# Allegro board RK3588_Template_LP4XD200P232SD8_41R0X41R0_2133MHz_H1R0_V11_20220216.brd (continued)
## Nets (continued)
PMIC_SW7: L2209.1 U2200.42(SW7)
PMIC_SW8: L2206.2 U2200.6(SW8)
PMIC_SW9: L2204.2 U2200.68(SW9)
PMIC_SW10: L2208.2 U2200.26(SW10)
PMIC_VDC: C2265.1 R2216.1 R2217.2 U2200.32(VDC)
POWER_LED_EN_H: U1000.AA28(GPIO3_B7_D)
PWM11_M3_1V8: U1000.AB28(GPIO3_D5_D)
PWM15_M2: U1000.D29(GPIO1_C6_D)
PWRON_L: C2268.1 U2200.4(PWRON)
REFCLKO_25M: U1000.P33(GPIO0_A0_D)
RESET_L: C1100.1 C2266.1 R1100.1 R2215.2 U1000.M31(NPOR_U) U2200.40(RESETB)
RTC_INT_L: U1000.L30(GPIO0_B0_Z)
RTL8111HS_ISOLATEB_L: U1000.B25(GPIO1_A4_D)
SARADC_VIN1_KEY/RECOVERY: C1511.1 R1500.1 U1000.AL16(SARADC_IN1)
SARADC_VIN2_LCD_ID1: U1000.AK16(SARADC_IN2)
SARADC_VIN3_HP_HOOK: C1512.1 U1000.AN17(SARADC_IN3)
SARADC_VIN5_EVB_HW_ID: C1513.1 U1000.AK15(SARADC_IN5)
SARADC_VIN5_HW_ID: R1508.2 R1510.1
SARADC_VIN7_LCD_ID0: U1000.AK17(SARADC_IN7)
SATA30_0_RXN: U1000.N34(PCIE20_0_RXN/SATA30_0_RXN)
SATA30_0_RXP: U1000.N33(PCIE20_0_RXP/SATA30_0_RXP)
SATA30_0_TXN: U1000.M33(PCIE20_0_TXN/SATA30_0_TXN)
SATA30_0_TXP: U1000.M34(PCIE20_0_TXP/SATA30_0_TXP)
SDMMC0_D0: U1000.AD2(GPIO4_D0_U)
SDMMC0_D1: U1000.AD1(GPIO4_D1_U)
SDMMC_CLK/MCU_JTAG_TMS_M0: U1000.AE1(GPIO4_D5_D)
SDMMC_CMD/MCU_JTAG_TCK_M0: U1000.AE2(GPIO4_D4_U)
SDMMC_D2/JTAG_TCK_M0: U1000.AF2(GPIO4_D2_U)
SDMMC_D3/JTAG_TMS_M0: U1000.AF1(GPIO4_D3_U)
SDMMC_DET_L: U1000.P31(GPIO0_A4_U)
SPI2_CLK_M2: R1104.1 U1000.N31(GPIO0_A5_D)
SPK_CTL_H: U1000.E28(GPIO1_D3_D)
TP_INT_L: U1000.U33(GPIO0_D3_U)
TP_RST_L: U1000.T29(GPIO0_C6_U)
TSADC_SHUT_H: R1100.2 U1000.P32(GPIO0_A1_Z)
TYPEC0_OTG_DM: U1000.AM12(TYPEC0_USB20_OTG_DM)
TYPEC0_OTG_DP: U1000.AL12(TYPEC0_USB20_OTG_DP)
TYPEC0_REXT: R1402.1 U1000.AH16(TYPEC0_DP0_REXT)
TYPEC0_SBU1: U1000.AL15(TYPEC0_SBU1/DP0_AUXP)
TYPEC0_SBU1_DC: U1000.AL27(GPIO4_A6_D)
TYPEC0_SBU2: U1000.AM15(TYPEC0_SBU2/DP0_AUXN)
TYPEC0_SBU2_DC: U1000.AM27(GPIO4_A7_D)
TYPEC0_SSRX1N: U1000.AP13(TYPEC0_SSRX1N/DP0_TX0N)
TYPEC0_SSRX1P: U1000.AN13(TYPEC0_SSRX1P/DP0_TX0P)
TYPEC0_SSRX2N: U1000.AP15(TYPEC0_SSRX2N/DP0_TX2N)
TYPEC0_SSRX2P: U1000.AN15(TYPEC0_SSRX2P/DP0_TX2P)
TYPEC0_SSTX1N: U1000.AN14(TYPEC0_SSTX1N/DP0_TX1N)
TYPEC0_SSTX1P: U1000.AP14(TYPEC0_SSTX1P/DP0_TX1P)
TYPEC0_SSTX2N: U1000.AN16(TYPEC0_SSTX2N/DP0_TX3N)
TYPEC0_SSTX2P: U1000.AP16(TYPEC0_SSTX2P/DP0_TX3P)
TYPEC0_USB20_OTG_ID: U1000.AL14(TYPEC0_USB20_OTG_ID)
TYPEC0_USB20_VBUSDET: U1000.AM14(TYPEC0_USB20_VBUSDET)
TYPEC1_OTG_DM: U1000.AL9(TYPEC1_USB20_OTG_DM)
TYPEC1_OTG_DP: U1000.AK9(TYPEC1_USB20_OTG_DP)
TYPEC1_REXT: R1410.1 U1000.AG16(TYPEC1_DP1_REXT)
TYPEC1_SSRX1N: U1000.AP8(TYPEC1_SSRX1N/DP1_TX0N)
TYPEC1_SSRX1P: U1000.AN8(TYPEC1_SSRX1P/DP1_TX0P)
TYPEC1_SSTX1N: U1000.AN9(TYPEC1_SSTX1N/DP1_TX1N)
TYPEC1_SSTX1P: U1000.AP9(TYPEC1_SSTX1P/DP1_TX1P)
UART2_RX_M0_DEBUG: U1000.R29(GPIO0_B6_D)
UART2_TX_M0_DEBUG: U1000.P29(GPIO0_B5_D)
UART8_CTSN_M1_BT: U1000.AH30(GPIO3_A5_D)
UART8_RTSN_M1_BT: U1000.AD28(GPIO3_A4_D)
UART8_RX_M1_BT: U1000.AE27(GPIO3_A3_U)
UART8_TX_M1_BT: U1000.AD27(GPIO3_A2_U)
USB20_HOST0_DM: U1000.AL6(USB20_HOST0_DM)
USB20_HOST0_DP: U1000.AK6(USB20_HOST0_DP)
USB20_HOST1_DM: U1000.AM7(USB20_HOST1_DM)
USB20_HOST1_DP: U1000.AL7(USB20_HOST1_DP)
USB_HOST_PWREN_H: U1000.AK26(GPIO4_B0_D)
VGA_HPDIN_L: U1000.E25(GPIO1_B5_U)
VSEL4: R1109.1 U1000.T32(GPIO0_C2_D)
VSEL5: R1115.1 U1000.T30(GPIO0_C3_D)
WIFI_REG_ON_H: U1000.AH29(GPIO3_B1_D)
WIFI_WAKE_HOST_H: U1000.K29(GPIO0_B2_U)
XIN24M: C1102.1 R1103.2 U1000.R34(XIN_24M) Y1100.3(X2)
XOUT24M: R1101.2 R1103.1 U1000.T34(XOUT_24M)
N16895373: C4009.1 U4000.C2(VDDI)
N17716140: C2261.2 D2200.2(K) R2216.2
N17720882: R2004.1
N17720886: R2004.2
N17724884: R1107.1 U1000.N30(GPIO0_A6_Z)
N17725044: R1133.1 U1000.R32(GPIO0_A2_D)
N17758514: L2301.1 U2301.D3(SW_1) U2301.D4(SW_2) U2301.E3(SW_3) U2301.E4(SW_4)
N17758921: L2300.1 U2300.D3(SW_1) U2300.D4(SW_2) U2300.E3(SW_3) U2300.E4(SW_4)
N17759951: L2303.1 U2303.D3(SW_1) U2303.D4(SW_2) U2303.E3(SW_3) U2303.E4(SW_4)
N18051724: C1600.1 U1000.AF20(MIPI_D/C_PHY0_VREG)
N18051781: C1608.1 U1000.AF19(MIPI_D/C_PHY1_VREG)
N18063750: R3806.2 U3800.G2(ODT_CA_A)
N18063752: R3809.2 U3800.A5(ZQ0)
N18063754: R3810.2 U3800.A8(ZQ1)
N18396694: C2329.1 R2304.2 U2302.1(EN)
N18396710: C2320.2 R2305.2 R2307.1 U2302.5(FB/OUT)
N18396738: L2302.1 U2302.3(LX)
N19366700: R1202.1 U1000.G8(DDR_CH1_ZQ_C)
N21016906: C1101.1 R1101.1 Y1100.1(X1)
N23213062: R1203.1 U1000.F18(DDR_CH1_ZQ_D)
N23230466: R1317.1 U1000.V34(GPIO2_A1_D)
N24141374: R1201.1 U1000.H7(DDR_CH0_ZQ_B)
N24452184: R4003.2 R4004.1 U4000.H5(DATA STROBE)
N25235330: R1730.1 U1000.AF3(HDMI_RX_REXT)
N26065462: R1314.1 U1000.Y32(GPIO2_D4_U)
N26065494: R1315.1 U1000.AA32(GPIO2_D5_U)
N26065519: R1316.1 U1000.V33(GPIO2_D7_U)
N26065546: R1318.1 U1000.AA34(GPIO2_A3_D)
N63228233: R3817.1 U3801.T2(ODT_CA_B)
N63228239: R3816.2 U3801.G2(ODT_CA_A)
N63228245: R3818.2 U3801.A5(ZQ0)
N63228247: R3819.2 U3801.A8(ZQ1)
N63380732: R3807.1 U3800.T2(ODT_CA_B)
N65887084: R1200.1 U1000.W8(DDR_CH0_ZQ_A)

Pads without a net: U1000 AD4 AF18 AK8 AL8 AL17 AM17 C19 D7 D10 D14 D17 E7 E10 E17 G9 G18 H4 H5 H9 H18 K4 K5 K7 M7 T5 V6 V7 W4 W5; U2200 2 3 38 47 48; U3800 A1 A2 A11 A12 AA1 AA12 AB1 AB2 AB11 AB12 B1 B12 G11 K5 K8 N5 N8; U3801 A1 A2 A11 A12 AA1 AA12 AB1 AB2 AB11 AB12 B1 B12 G11 K5 K8 N5 N8; U4000 A2 A7 A8 A9 A10 A11 A12 A13 A14 B1 B7 B8 B9 B10 B11 B12 B13 B14 C1 C3 C7 C8 C9 C10 C11 C12 C13 C14 D1 D2 D3 D4 D12 D13 D14 E1 E2 E3 E5 E8 E9 E10 E12 E13 E14 F1 F2 F3 F10 F12 F13 F14 G1 G2 G3 G10 G12 G13 G14 H1 H2 H3 H12 H13 H14 J1 J2 J3 J12 J13 J14 K1 K2 K3 K6 K7 K10 K12 K13 K14 L1 L2 L3 L12 L13 L14 M1 M2 M3 M7 M8 M9 M10 M11 M12 M13 M14 N1 N3 N6 N7 N8 N9 N10 N11 N12 N13 N14 P1 P2 P7 P8 P9 P10 P11 P12 P13 P14

## Via types
v1: diameter 0.4, hole 0.2, TOP to BOTTOM, 1923 vias
v2: diameter 0.5, hole 0.3, TOP to BOTTOM, 503 vias

## Routing (per net, layer and track width the routed paths; a pad name or vN(x,y) marks a point on that pad's centre or on a via; arc(x,y) is an arc through that point)
GND: length 3200.2
  TOP w0.089: 62.99,54.5 63.64,54.5 ; U1000.AG15 U1000.AH15 U1000.AJ15 ; U1000.AM30 48.39,62 ; U1000.AF4 64.96,57.78 v1(64.31,57.78) ; v1(66.91,49.33) 67.5,49.33 67.58,49.25 68.05,49.25 ; 38.73,55.4 38.73,55.39 38.79,55.34 38.79,55.34 38.96,55.17 38.96,55.02 38.99,54.99 v1(39.12,54.99) ; 61.69,54.5 61.74,54.5 ; v1(49.91,41.4) 50.04,41.53 50.04,42.2 U1000.B27 ; U1000.AN31 47.74,62.65 ; v1(60.78,41.4) 60.63,41.25 60.63,41.04 ; 37.76,53.51 37.8,53.47 v1(37.85,53.47) ; 60.74,53.55 U1000.W11 ; v1(44.44,52.78) 44.44,52.78 44.26,52.96 43.81,52.96 43.31,53.47 39.14,53.47 38.89,53.21 v1(38.61,53.21) ; U1000.AF29 49.04,58.1 ; v1(59.76,42.83) 59.76,41.71 59.82,41.66 59.82,41.04 ; 58.42,38.99 v1(58.29,39.12) ; v1(57.16,54.53) U1000.AA17 ; v1(64.96,53.23) v1(64.96,53.88) ; U1000.AL25 51.64,61.35 ; v1(67.69,48.35) 68.05,48.35 ; v1(63.01,44.13) v1(63.66,44.13) ; U1000.W10 61.39,53.55 ; v1(67.89,50.24) 68.05,50.08 ; 59.71,53.93 59.82,53.93 ; U1000.AK11 60.74,60.7 ; U1000.M3 65.29,49 v1(64.97,48.68) ; v1(63.67,47.38) v1(63.01,47.38) ; 61.71,44.78 61.71,43.56 ; U1000.A11 60.74,41.95 60.41,42.27 v1(60.41,42.83) ; U1000.M20 U1000.N20 ; v1(58.85,41.33) 58.85,41.28 58.93,41.19 58.93,41.04 ; v1(63.66,53.23) v1(63.66,52.58) ; U1000.AF31 47.74,58.1 ; v1(67.86,56.79) 67.86,56.82 ; U1000.AA10 61.39,54.85
  TOP w0.102: v1(77.59,51.13) 77.47,51.01 77.47,50.7 77.26,50.49 77.02,50.49 76.86,50.65 76.5,50.65 U3800.K2 ; 62.3,34.64 62.3,34.1 62.05,33.85 ; 62.3,34.64 62.3,35.11 61.77,35.63 61.77,36.98 61.29,37.47 60.83,37.47 60.22,38.07 60.22,38.84 60.59,39.21 ; 62.3,34.64 62.05,34.4 62.05,34.39 62.05,33.85 ; 72.28,49.66 72.11,49.83 ; 72.28,49.66 72.31,49.63 v1(72.34,49.63) ; 72.28,49.66 72.28,49.8 72.31,49.83 ; 72.11,49.83 72.31,49.83 ; 72.11,49.83 69.77,49.83 69.19,49.25 68.05,49.25 ; 60.06,35.18 60.42,34.82 60.42,33.95 ; 60.06,35.18 60.48,35.18 60.55,35.1 60.55,34.92 60.68,34.8 60.68,34.67 60.43,34.43 60.43,33.96 60.42,33.95 ; 60.06,35.18 59.18,35.18 59.08,35.28 59.08,35.84 59.39,36.15 ; 73.03,60.45 v1(73.41,60.45) ; 61.24,29.51 61.24,27.69 ; 61.24,29.51 61.24,29.98 ; 61.24,29.51 60.99,29.75 61.24,30 ; 61.24,27.69 61.24,27.58 ; 61.24,27.69 61.29,27.74 61.29,29.35 61.54,29.61 61.54,29.67 61.24,29.98 ; 61.29,33.28 61.29,33.17 61.51,32.95 61.51,32.91 61.24,32.63 61.24,32.28 ; 61.29,33.28 61.29,35.05 61.16,35.17 61.16,35.46 61.04,35.59 61.04,35.69 v1(61.01,35.71) 61.03,35.73 61.03,35.89 61.16,36.03 61.16,36.69 60.99,36.86 60.1,36.86 60,36.96 60,37.43 59.59,37.84 59.59,38.26 59.26,38.59 59.26,39.13 59.82,39.69 59.82,41.04 ; 61.29,33.28 60.99,32.98 60.99,32.52 61.24,32.28 ; 61.24,27.58 61.11,27.58 61.09,27.56 ; 61.24,27.58 61.95,27.58 v1(61.98,27.56) ; 60.42,33.95 60.58,33.8 60.58,33.43 60.4,33.25 60.05,33.25 v1(59.97,33.17) ; 57.16,44.78 57.16,43.48 ; 60.59,39.21 60.63,39.24 60.63,39.65 ; 60.59,39.21 61,39.21 v1(61.03,39.24) 60.63,39.65 ; v1(79.03,53.05) 79.12,53.13 79.12,53.67 78.91,53.89 ; U3800.E5 78.91,53.89 ; 78.91,53.89 79.12,53.89 79.67,54.43 80.22,54.43 v1(80.76,54.98) 80.76,54.62 81.14,54.24 U3800.E8 81.14,53.96 80.39,53.21 80.39,52.55 80.77,52.17 80.77,51.94 80.93,51.79 81.31,51.79 81.42,51.68 v1(81.55,51.68) ; v1(76.02,51.13) 76.02,50.84 75.66,50.49 73.53,50.49 ; 62.05,33.85 61.9,33.7 61.9,33.43 62.22,33.1 62.22,32.88 ; v1(82.28,48.59) 82.28,48.87 83.06,49.66 83.06,50.01 82.42,50.65 82.1,50.65 U3800.K9 ; v1(79.2,50.67) 79.38,50.85 79.38,51.56 79.48,51.66 79.48,51.84 78.99,52.32 78.99,53.01 ; 59.39,36.59 59.58,36.39 59.58,36.34 59.39,36.15 ; 59.39,36.59 59.39,36.15 ; 59.39,36.59 59.39,37.18 58.98,37.59 58.98,37.99 58.65,38.32 58.65,38.76 ; v1(64.48,33.24) 64.48,32.29 v1(64.44,32.25) ; 58.65,39.47 58.65,39.54 58.91,39.81 58.91,41.02 58.93,41.04 ; 58.65,39.47 v1(58.29,39.12) ; 58.65,39.47 58.65,38.76 ; U3801.N4 60.3,31.18 60.3,31.55 60.58,31.83 60.58,32.08 60.27,32.38 U3801.N2 ; 61.24,30 61.24,30.66 61.51,30.93 61.51,31.26 61.24,31.53 ; 61.24,30 61.24,29.98 ; 66.26,48.68 66.76,48.68 67.09,48.35 U1000.L1 ; 72.31,49.83 80.26,49.83 80.93,50.5 81.45,50.5 v1(81.53,50.42) ; v1(83.92,52.43) 83.26,52.43 v1(83.12,52.57) ; v1(55.37,30.7) 55.4,30.73 55.4,31.47 v1(55.37,31.5) ; 61.24,31.53 61.24,30.68 60.98,30.93 60.98,31.37 61.24,31.63 ; 61.24,31.53 61.24,31.63 ; 65.61,46.08 64.96,46.08 ; 58.65,38.76 58.42,38.99 ; v1(78.34,47.77) 78.33,47.77 78.21,47.88 77.65,47.88 v1(77.55,47.78) ; 60.63,39.65 60.63,41.04 ; 73.53,50.49 69.29,50.49 69.14,50.34 v1(69.09,50.34) 69.04,50.29 68.96,50.29 68.58,49.91 68.22,49.91 68.05,50.08 ; 73.53,50.49 73.53,51.03 74.04,51.54 v1(74.04,51.56) ; v1(66.91,49.33) v1(66.26,49.33) ; 62.57,26.8 63,26.8 63.03,26.77 v1(63.25,26.77) 63.22,26.8 63.22,28.09 63.4,28.27 63.65,28.27 63.86,28.07 64.06,28.07 U3801.G8 ; v1(64.46,28.25) 64.77,28.55 64.77,29.78 64.6,29.95 v1(64.52,29.95) 63.73,29.95 63.37,29.59 63.12,29.59 62.99,29.72 62.74,29.72 62.61,29.59 62.36,29.59 62.15,29.79 62.15,29.97 61.9,30.23 61.9,30.46 62.22,30.78 U3801.K4 62.22,31.41 61.92,31.71 61.92,32.45 U3801.K2 ; 61.24,32.28 61.24,31.63 ; U1000.A14 58.79,42.05 59.11,42.38 v1(59.11,42.83) ; 51.64,38.05 51.64,40.59 52.19,41.14 v1(52.19,41.2) ; 62.36,46.08 v1(61.71,46.08) ; U1000.P1 67.07,50.3 66.74,49.98 v1(66.26,49.98) ; v1(66.45,26.83) 66.45,25.88 U3801.D11 ; v1(83.97,45.95) 83.94,45.93 83.19,45.93 v1(83.17,45.95) ; v1(60.07,30.76) 60.1,30.73 60.32,30.73 60.58,30.48 60.58,30.22 59.99,29.64 59.04,29.64 U3801.T5 57.63,29.67 57.63,29.19 58.02,28.8 58.02,28.25 U3801.T8 58.54,27.95 58.86,28.27 59.11,28.27 59.31,28.07 59.31,27.02 59.51,26.82 59.94,26.82 ; 61.71,43.56 61.71,43.48 ; 68.05,48.35 69.84,48.35 69.98,48.49 v1(69.98,48.51) 70,48.51 70.38,48.9 71.91,48.9 72.09,48.72 72.69,48.72 73.19,48.22 74.99,48.22 v1(75.25,48.49) 75.24,48.51 75.24,48.98 75.43,49.17 75.65,49.17 75.97,48.85 U3800.N2 76.71,48.85 77.03,49.17 77.25,49.17 77.57,48.85 U3800.N4 78.31,48.85 78.62,49.16 78.87,49.16 80.02,48.01 80.9,48.01 81.04,47.87 v1(81.6,47.87) v1(82.4,47.87)
  TOP w0.104: v2(83.12,101.73) 83.8,101.73 C2266.2 ; R1110.2 v1(98.81,105.79) ; v1(68.33,114.43) 68.83,114.94 68.83,115.24 71.32,117.73 v1(74.68,117.73) ; C2254.2 v1(90.73,90.3) ; 35.9,54.65 35.88,54.67 v1(35.87,54.67) ; 35.9,54.65 36.13,54.42 37.15,54.42 37.23,54.5 37.24,54.5 37.35,54.62 37.48,54.62 37.5,54.64 38.23,54.64 38.23,54.65 v1(38.23,54.65) ; 35.9,54.65 35.75,54.65 35.56,54.46 35.37,54.27 34.76,54.27 34.46,54.57 33.61,54.57 33.6,54.56 33.49,54.56 33.16,54.23 32.78,54.23 32.13,53.58 32.13,53.56 v1(32.09,53.52) 32.09,53.42 31.88,53.21 30.1,53.21 29.84,52.96 29.59,52.96 ; C2319.2 106.93,105.16 107.19,105.41 v2(107.19,105.97) ; C2319.2 106.43,105.6 v2(106.43,105.97) ; C2319.2 107.19,104.84 v2(107.19,104.27) v2(107.19,103.5) ; 38.73,55.4 38.52,55.62 34.99,55.62 34.66,55.29 34.21,55.29 34.21,55.29 33.17,55.29 v1(33.02,55.14) 32.85,55.14 32.54,54.82 32.53,54.82 31.99,54.28 31.55,54.28 31.13,53.86 29.71,53.86 29.66,53.91 29.45,53.91 ; C2256.2 v2(98.81,108.03) ; 64.47,83.06 64.77,83.06 64.94,82.89 65.52,82.89 v1(65.93,83.29) ; U4000.E7 12.94,54.73 v1(12.94,54.35) ; U4000.C4 12.92,56.19 12.92,56.04 12.95,56.01 12.95,55.99 v1(12.91,55.99) ; C2262.2 v2(98.93,103.53) ; v1(15.11,55.25) 14.99,55.25 14.52,55.72 U4000.A6 ; 48.32,26.34 v1(48.32,26.42) ; v2(96.39,108.46) 96.01,108.84 96.01,109.36 C2243.2 ; 37.76,53.51 37.73,53.53 35.88,53.53 35.74,53.38 34.39,53.38 34.18,53.59 34.1,53.59 v1(34.04,53.53) ; C2257.2 v2(93.34,88.01) ; 51.64,38.05 51.64,37.92 v1(50.55,36.83) ; 109.78,77.88 v1(110.33,77.88) ; R2212.2 v1(98.81,106.81)
  TOP w0.127: v1(68.41,58.97) 69.39,58.97 73.41,62.99 ; 23.88,61.72 24.51,61.09 v1(24.51,60.96) ; v1(44.62,55.76) 40.12,55.76 38.99,56.9 38.3,56.9 ; 45.47,41.53 45.47,42.67 45.62,42.83 v1(46.11,42.83) ; 67.86,56.82 68.2,57.15 v1(69.72,57.15) 73.03,60.45 ; v1(38.61,53.21) 38.17,52.78 34.11,52.78 33.66,52.32 33.66,51.44 33.53,51.31 32.16,51.31 32.13,51.34 ; v1(55.86,45.43) 56.51,45.43
  TOP w0.152: 14.73,50.04 16.13,51.43 17.37,51.43 18.29,50.51 ; U4000.N5 U4000.P6 ; v1(79.2,50.67) 78.99,50.47 78.58,50.47 78.3,50.75 77.99,50.75 U3800.K4 ; v1(83.07,53.73) 83.16,53.83 83.16,54.33 v1(83.21,54.38)
  TOP w0.203: U2301.B4 35.67,14.5 v2(35.56,14.61) ; U2301.B4 U2301.C4 ; U2301.B4 U2301.B3 ; U2300.B4 45.32,14.37 v2(44.96,14.73) ; U2300.B4 U2300.B3 ; U2300.B4 U2300.C4 ; U2300.C4 v2(45.72,14.73) ; U2300.C4 U2300.C3 ; v2(71.4,78.88) 71.29,78.99 U2303.C1 U2303.C2 ; U2300.C2 U2300.C1 45.72,12.08 v2(45.73,12.06) ; U2300.C2 U2300.C3 ; U2300.C2 U2300.B2 U2300.B3 ; U2300.C3 U2300.B3 ; v1(76.73,52.34) 76.73,52.35 U3800.G3 ; 36.07,14.48 U2301.C4 ; U2301.C4 U2301.C3 ; v1(7.47,56.77) 7.52,56.72 U4000.P4 ; U2303.B3 U2303.B4 ; U2303.B3 U2303.B2 U2303.C2 ; U2303.B3 U2303.C3 ; U2303.B4 69.01,78.59 v2(68.61,78.99) U2303.C4 ; U2303.B4 U2303.C4 ; U2301.C3 U2301.C2 ; U2301.C3 U2301.B3 ; U2301.C2 U2301.C1 36.07,12.07 v2(35.94,11.94) ; U2301.C2 U2301.B2 U2301.B3 ; U3800.A3 v1(77.62,57.13) ; U2303.C2 U2303.C3 ; U2303.C3 U2303.C4 ; v1(39.62,50.17) v1(40.89,50.17) ; U3800.AB3 77.5,43.36 77.5,44.51 v1(77.59,44.6) ; 51.71,38.84 v1(52.07,38.84) ; 18.64,51.44 17.75,52.32 15.62,52.32 v1(15.49,52.45) ; v1(79.07,44.63) 79.75,44.63 80.06,44.32 v1(80.64,44.32) ; U4000.N2 8.45,58.83 ; U3800.A10 v1(82.42,56.98) ; v1(73.84,62.99) 73.41,62.99
  TOP w0.254: C2327.2 62.74,76.65 ; 62.74,76.65 62.74,78.42 C2324.2 ; 62.74,76.65 62.74,75.13 62.93,74.94 62.93,74.39 62.93,70.59 62.92,70.58 62.92,70.43 63.52,69.83 63.88,69.83 64.14,70.08 v1(64.14,70.1) ; U1000.AA18 56.52,55.18 ; U1000.AA18 56.19,54.85 v1(56.52,54.53) ; U1000.AA18 v1(55.87,55.18) ; U1000.AA18 v1(55.87,54.53) ; 56.52,55.18 56.84,55.5 U1000.AB17 v1(57.16,55.18) U1000.AA16 ; 56.52,55.18 U1000.AA17 ; 56.51,55.18 U1000.AB18 v1(55.87,55.18) ; 64.96,46.08 64.64,45.75 ; 64.64,45.75 64.32,46.08 ; 64.64,45.75 64.31,45.43 v1(64.31,45.43) ; 64.64,45.75 v1(64.96,45.43) ; 64.64,45.75 v1(64.64,45.88) ; v1(56.68,26.84) 56.37,27.15 U3801.W9 ; U1000.Y13 v1(59.76,54.53) U1000.Y12 ; U1000.Y13 v1(59.11,54.53) U1000.Y14 ; U1000.Y13 59.44,54.2 v1(59.76,53.88) U1000.W12 ; v1(57.81,58.43) U1000.AF16 ; v1(57.81,58.43) U1000.AF15 ; v1(57.81,58.43) U1000.AG15 v1(58.46,58.43) ; U1000.AF16 57.81,57.78 ; U1000.AF16 57.18,58.41 ; U1000.AF16 v1(57.16,57.78) ; U1000.C23 v1(53.26,42.83) U1000.C22 ; U1000.C23 52.94,43.15 v1(52.61,42.83) 52.29,42.5 U1000.B24 ; U1000.C23 v1(52.62,43.48) ; U1000.C23 v1(53.26,43.48) ; 60.41,55.84 U1000.AC12 v1(60.41,56.48) U1000.AD11 ; 60.41,55.84 60.72,56.15 U1000.AC11 ; 60.41,55.84 U1000.AB11 ; U1000.J3 65.94,47.05 ; U1000.J3 65.94,47.05 v1(66.26,46.73) U1000.H3 ; U1000.J3 v1(65.61,46.73) ; 65.94,47.05 v1(66.26,47.38) 65.94,47.7 ; 65.94,47.05 v1(65.62,47.38) ; U1000.R22 v1(53.27,50.63) ; U1000.R22 53.59,50.95 v1(53.92,50.63) ; U1000.R22 53.59,50.95 v1(53.27,51.28) ; U1000.R22 v1(53.92,51.28) U1000.R21 ; v1(53.27,50.63) U1000.R23 ; v1(53.27,50.63) U1000.P22 ; U1000.J18 v1(55.86,46.73) ; U1000.J18 56.19,47.06 55.87,47.38 ; U1000.J18 56.51,46.73 ; U1000.J18 56.52,47.38 ; v1(55.86,46.73) U1000.H19 ; v1(55.86,46.73) U1000.J19 ; U1000.AC24 v1(52.62,56.48) U1000.AD24 51.97,57.13 ; U1000.AC24 52.29,56.15 51.97,55.83 U1000.AB24 ; U1000.AC24 v1(52.62,55.83) U1000.AB24 ; 59.75,61.04 59.44,61.35 U1000.AL13 ; 59.75,61.04 U1000.AK12 ; 59.75,61.04 59.44,60.72 U1000.AK13 ; 53.25,59.09 U1000.AG22 ; 53.25,59.09 53.28,59.09 U1000.AH22 ; 53.25,59.09 U1000.AH23 52.94,59.42 53.26,59.73 ; U1000.AG22 53.59,58.75 v1(53.92,59.08) ; U1000.AG22 v1(53.92,58.43) ; U1000.AG22 53.26,58.42 ; 47.38,47.99 47.45,47.99 U1000.K31 ; 47.38,47.99 U1000.K32 v1(46.76,47.38) U1000.J32 U1000.H31 ; 47.38,47.99 47.74,48.35 U1000.L31 ; v1(52.62,53.88) 52.64,53.9 U1000.Y23 ; v1(52.62,53.88) U1000.W24 ; v1(52.62,53.88) 52.94,53.55 U1000.W23 52.62,53.23 ; v1(52.62,53.88) U1000.Y24 ; U1000.AD11 60.74,56.8 v1(61.06,56.48) ; U1000.AD11 61.39,57.46 ; U1000.AD11 60.09,57.45 U1000.AE12 ; v1(59.76,50.63) 59.44,50.95 U1000.R13 v1(59.76,51.28) 59.44,51.6 U1000.T13 v1(59.76,51.93) ; U1000.V5 v1(64.96,53.23) U1000.V4 ; U1000.V5 v1(64.32,53.23) 63.99,53.55 U1000.W6 ; U1000.V5 v1(64.97,52.58) U1000.V4 ; U1000.V5 v1(64.32,52.58) 64,52.27 ; 60.41,61.03 60.09,60.7 U1000.AK12 ; 60.42,61.03 U1000.AK11 60.41,60.38 ; 60.41,61.03 U1000.AL11 v1(61.06,61.03) ; 50.68,51.94 51.32,52.58 ; 50.68,51.94 U1000.T27 v1(50.66,51.28) ; 50.68,51.94 50.65,51.94 50.28,52.31 ; 50.68,51.94 50.99,51.63 U1000.T26 ; 51.32,52.58 51.64,52.9 U1000.V25 ; 51.32,52.58 v1(51.97,51.93) ; U1000.F15 58.14,45.1 v1(58.46,44.78) ; U1000.F15 v1(57.82,44.78) ; U1000.F15 v1(57.81,45.43) ; U1000.F15 v1(58.46,45.43) ; v1(77.59,44.6) U3800.W4 v1(78.3,45.17) U3800.V5 ; 51.96,47.39 51.56,47.78 ; 51.96,47.39 U1000.J24 ; 51.96,47.39 51.96,47.37 U1000.J25 ; 51.56,47.78 51.56,47.62 v1(51.32,47.38) ; 51.56,47.78 51.56,47.78 51.32,48.03 ; U3800.C1 75.86,55.03 v1(75.92,55.03) U3800.D2 v1(76.71,54.99) ; v1(48.72,61.03) U1000.AK29 ; U1000.AK29 v1(49.36,61.03) 49.69,60.7 U1000.AK28 ; U1000.AK29 48.71,60.38 ; U1000.K8 v1(62.36,47.38) ; U1000.K8 62.36,48.03 ; U1000.K8 v1(63.01,47.38) ; v1(62.36,47.38) 62.04,47.05 ; v1(62.36,47.38) U1000.K9 ; 53.26,58.42 52.66,57.83 ; 53.26,58.42 53.27,58.42 U1000.AF22 53.59,58.1 v1(53.92,58.43) ; 52.66,57.83 U1000.AE24 ; 52.66,57.83 52.57,57.83 U1000.AF24 v1(51.97,57.78) ; U1000.J20 54.63,46.79 54.5,46.79 U1000.J21 ; U1000.J20 55.15,47.31 55.28,47.31 U1000.J19 ; U1000.J20 54.89,47.05 55.23,46.72 ; U1000.J20 54.59,47.35 ; U1000.U24 v1(52.62,52.58) ; U1000.U24 52.62,51.93 ; U1000.U24 v1(51.97,51.93) ; U1000.U24 v1(51.97,52.58) ; v1(52.62,52.58) U1000.V23 52.62,53.23 ; v1(52.62,52.58) U1000.U23 52.62,51.93 ; v1(52.62,52.58) 52.29,52.9 U1000.V24 ; v1(51.32,49.98) 50.99,50.3 U1000.P26 U1000.R25 ; v1(51.31,49.98) U1000.N26 50.99,49.65 51.32,49.33 ; v1(51.32,49.98) U1000.P25 ; v1(51.32,49.98) 51.64,49.65 U1000.N25 ; U1000.Y3 65.94,54.2 65.62,54.53 U1000.AA3 ; U1000.Y3 v1(66.26,53.88) ; U1000.Y3 66.2,54.46 66.2,54.59 U1000.AA3 ; 52.62,51.93 52.29,51.6 U1000.T24 ; 52.62,51.93 U1000.T23 ; U1000.W24 v1(51.97,53.88) ; U1000.W24 v1(51.97,53.23) ; U1000.W24 52.62,53.23 ; v1(51.97,53.88) U1000.Y24 ; v1(51.97,53.88) 51.69,54.15 51.69,54.25 51.93,54.49 ; v1(48.07,58.43) U1000.AG30 ; v1(48.07,58.43) U1000.AF30 48.39,58.1 v1(48.72,58.43) ; v1(48.07,58.43) 47.74,58.1 ; U1000.AG30 v1(48.71,58.43) ; U1000.AG30 v1(48.07,59.08) ; v1(53.92,45.43) 53.59,45.1 U1000.F22 ; v1(53.91,45.43) U1000.G22 ; v1(53.92,45.43) U1000.G21 v1(53.92,46.08) ; v1(53.92,45.43) U1000.F21 ; U1000.T25 v1(51.97,51.93) ; U1000.T25 52.02,51.23 ; U1000.T25 U1000.R26 ; U1000.T25 50.67,52.57 ; v1(51.97,51.93) U1000.T24 ; 65.61,52.58 U1000.V4 ; 65.61,52.58 65.94,52.25 U1000.U3 ; 65.61,52.58 65.62,52.58 U1000.V3 ; U1000.V4 v1(65.61,53.23) ; U3801.T10 v1(58.66,26.02) ; v1(54.57,51.28) U1000.R21 ; v1(54.57,51.28) U1000.T20 ; v1(54.57,51.28) U1000.R20 ; U1000.R21 v1(53.92,50.63) ; U1000.R21 54.24,50.95 v1(54.57,50.63) ; v1(48.06,52.58) 47.74,52.25 U1000.U31 v1(48.06,51.93) U1000.U30 48.39,52.25 v1(48.06,52.58) ; v1(48.06,52.58) U1000.V30 ; 62.35,53.86 62.04,54.16 U1000.Y9 ; 62.35,53.86 U1000.Y8 ; 62.35,53.86 U1000.W9 ; v1(55.86,51.92) 55.86,51.94 U1000.U19 ; v1(55.86,51.92) U1000.T19 ; v1(55.86,51.92) 55.87,51.92 56.19,51.6 U1000.T18 U1000.R19 ; 57.02,58.8 57.02,59.22 56.85,59.39 ; 57.02,58.8 56.89,58.8 v1(56.52,58.43) ; 57.02,58.8 57.02,58.57 57.18,58.41 ; U3801.C8 v1(66.37,28.35) ; U1000.E22 53.27,44.77 53.26,44.77 ; U1000.E22 v1(53.91,44.13) ; U1000.E22 53.9,44.77 ; U1000.E22 53.27,44.14 ; U1000.C8 63.01,42.83 U1000.C7 ; U1000.C8 v1(62.36,42.83) U1000.C9 61.71,43.48 61.39,43.15 U1000.C10 61.39,43.15 v1(61.06,42.83) 60.74,43.15 U1000.C11 ; U1000.C8 62.87,43.33 62.87,43.56 ; U1000.AD26 v1(50.67,56.48) U1000.AC27 ; U1000.AD26 v1(50.67,57.13) 50.99,57.45 U1000.AE26 ; U1000.AD26 51.32,57.13 ; v1(55.87,53.23) U1000.W19 ; v1(55.86,53.23) U1000.W18 ; v1(55.86,53.23) U1000.V19 ; v1(55.87,53.23) U1000.V18 55.87,52.59 ; U1000.W19 v1(55.22,53.88) ; U1000.W19 v1(55.86,53.88) ; U1000.AE7 63.34,57.45 v1(63.01,57.13) U1000.AD8 62.7,56.8 62.99,56.52 62.99,56.45 U1000.AC8 63.01,55.83 v1(63.01,55.82) ; U1000.AE7 63.64,57.76 63.64,57.8 ; U1000.AE7 63,57.79 ; v1(53.92,59.08) 53.59,59.4 U1000.AH22 ; v1(53.92,59.08) U1000.AG21 v1(53.92,58.43) ; v1(53.92,59.08) U1000.AH21 v1(53.92,59.73) ; v1(61.66,84.58) 61.66,84.76 61.99,85.09 ; U1000.C7 63.66,42.83 ; U1000.C7 62.93,43.56 62.87,43.56 ; U1000.C7 63.58,43.39 63.75,43.39 ; 63.66,42.83 63.99,42.5 ; 63.67,42.83 63.99,43.15 ; U1000.V3 v1(66.26,53.23) ; U1000.V3 66.17,52.68 66.17,52.48 U1000.U3 ; U1000.V3 v1(65.62,53.23) ; 51.97,57.13 U1000.AE24 ; 51.97,57.13 U1000.AD25 51.64,56.8 51.32,57.13 ; 51.97,57.13 51.31,57.78 ; U1000.AE24 v1(51.97,57.78) ; 61.39,53.55 60.74,52.9 U1000.V11 60.41,53.23 ; 61.39,53.55 U1000.Y9 ; 61.39,53.55 61.71,53.23 ; U1000.L21 v1(54.57,48.03) ; U1000.L21 53.92,48.68 ; U1000.L21 54.26,48.35 54.58,48.04 ; U1000.L21 54.57,48.68 ; U1000.L21 53.92,48.03 ; U1000.K21 53.95,47.41 53.88,47.41 ; U1000.K21 54.59,47.35 ; U1000.K21 53.92,48.03 ; U1000.K21 54.58,48.04 ; U1000.AB32 v1(47.41,55.18) U1000.AA31 v1(47.41,54.53) ; v1(60.78,41.4) 60.74,41.44 U1000.A11 ; U1000.L22 v1(53.27,48.68) 53.59,49 U1000.M22 ; U1000.L22 53.91,48.68 ; U1000.L22 53.92,48.03 ; 60.41,53.23 U1000.W12 ; 60.41,53.23 60.74,53.55 U1000.W11 60.09,54.2 U1000.Y12 ; 50.02,58.42 U1000.AF27 50.34,58.1 50.67,57.78 ; 50.02,58.42 50.22,58.61 50.22,58.88 48.71,60.38 ; 50.02,58.42 50.01,58.42 U1000.AF28 v1(49.37,58.43) 49.04,58.1 ; U1000.AM28 v1(49.37,62.33) ; v1(48.07,60.38) U1000.AJ30 48.71,60.38 ; U1000.F14 v1(58.46,44.78) ; U1000.F14 v1(58.46,45.43) ; U1000.F14 58.79,45.1 v1(59.11,44.78) U1000.F13 59.44,45.1 v1(59.76,44.78) 60.09,44.45 U1000.E12 60.09,44.45 v1(60.41,44.13) 60.09,43.8 v1(60.41,43.48) ; v1(58.46,44.78) 58.14,44.45 58.14,44.45 ; U3801.V12 56.7,24.43 v1(56.7,24.43) ; U1000.K22 53.88,47.41 ; U1000.K22 v1(53.27,47.38) ; U1000.K22 53.92,48.03 ; 53.88,47.41 U1000.J21 ; 53.88,47.41 53.88,47.35 U1000.J22 ; U1000.H3 65.61,46.08 U1000.G3 ; U1000.H3 v1(65.61,46.73) ; U1000.H3 66.26,46.08 U1000.G3 ; v1(50.67,51.28) 50.99,50.95 U1000.R26 ; v1(50.67,51.28) U1000.T26 ; v1(59.11,48.68) U1000.M14 ; U1000.M14 58.47,49.33 ; U1000.M14 58.51,48.72 58.42,48.72 U1000.M15 ; U1000.Y24 52,54.49 51.93,54.49 ; U1000.Y24 U1000.AA23 ; 64,52.27 63.98,52.27 ; 64,52.27 64.31,51.96 v1(64.31,51.93) U1000.T6 ; U1000.N25 v1(51.97,49.98) 51.64,50.3 U1000.P25 ; U1000.N25 51.32,49.33 ; U3800.G1 75.33,52.96 v1(75.18,52.96) 75.11,52.88 74.35,52.88 v1(73.91,52.45) ; 52.62,53.23 U1000.V24 ; U3800.K11 83.25,51.1 v1(83.24,51.1) 83.24,51.11 U3800.J10 v1(82.33,51.04) 82.31,51.05 U3800.K9 81.56,50.42 v1(81.53,50.42) ; U3800.K11 83.86,51.13 v1(83.97,51.13) 83.98,51.21 U3800.J12 v1(84.66,51.78) ; U3800.K11 83.84,50.55 v1(83.84,50.51) 83.84,49.15 U3800.N11 v1(83.86,48.53) U3800.P12 v1(84.68,48.54) ; U1000.AG7 U1000.AH8 63.01,59.72 63.02,59.72 ; U1000.AG7 v1(63.66,59.08) ; U1000.AG7 63.01,58.43 ; U1000.AG7 63.34,58.71 63.64,58.41 ; U1000.V25 v1(51.97,52.58) ; U1000.V25 51.64,52.9 v1(51.97,53.23) ; v1(51.97,52.58) U1000.V24 ; v1(51.97,52.58) v1(51.32,51.93) U1000.T26 ; U1000.C16 v1(57.81,42.83) U1000.C15 ; U1000.C16 57.18,42.84 57.15,42.84 U1000.C17 ; U1000.C16 57.16,43.48 56.84,43.15 U1000.C17 ; 60.41,60.38 60.09,60.7 U1000.AK12 ; 60.41,60.38 U1000.AJ12 ; 60.42,60.38 U1000.AJ11 60.74,60.05 60.44,59.75 60.44,59.7 ; v1(61.06,46.73) 60.74,47.05 U1000.J11 v1(60.41,46.73) ; v1(61.06,46.73) U1000.H10 ; v1(61.06,46.73) 61.39,47.05 U1000.J10 ; v1(63.01,55.17) 63.34,55.5 U1000.AB7 63.02,55.82 v1(63.01,55.82) ; v1(63.01,55.17) 62.69,54.85 U1000.AA8 ; v1(63.01,55.17) 63.01,55.18 U1000.AB8 63.01,55.82 v1(63.01,55.82) ; U1000.J22 v1(53.27,47.38) ; U1000.J22 53.3,46.76 53.23,46.76 ; U1000.J22 53.91,46.73 ; v1(53.27,47.38) 52.94,47.05 U1000.J23 ; 63.69,59.75 63.64,59.75 U1000.AJ7 ; 63.69,59.75 62.68,58.74 ; 63.69,59.75 64.01,60.07 ; v1(57.81,44.78) 58.14,44.45 ; v1(57.81,44.78) U1000.F16 ; 58.14,44.45 v1(58.46,44.13) 58.14,43.8 v1(58.46,43.48) ; v1(55.87,54.53) U1000.Y19 ; v1(55.86,54.53) U1000.AA19 ; v1(55.87,54.53) U1000.Y18 ; U1000.Y19 U1000.AA20 ; U1000.Y19 v1(55.22,53.88) ; U1000.Y19 55.54,54.2 v1(55.87,53.88) ; v1(54.57,56.48) U1000.AC21 v1(54.56,55.83) ; v1(54.57,56.48) U1000.AC20 ; v1(54.57,56.48) 54.24,56.8 U1000.AD21 v1(54.57,57.13) ; v1(54.57,56.48) U1000.AD20 ; U1000.AK13 v1(59.11,60.38) 58.79,60.7 U1000.AK14 ; U1000.AK13 59.37,60.77 ; v1(66.26,56.48) 65.94,56.15 U1000.AC3 ; U1000.D3 65.94,43.8 v1(66.26,43.48) 65.94,43.15 U1000.C3 ; U1000.D3 65.61,43.47 ; U1000.D3 65.62,44.13 U1000.E3 ; U1000.D3 66.26,44.13 U1000.E3 ; v1(61.06,56.48) 61.39,56.8 U1000.AD10 ; v1(61.06,56.48) U1000.AC10 61.39,56.15 v1(61.06,55.83) ; v1(61.06,56.48) U1000.AC11 ; v1(64.17,24.33) U3801.G12 v1(64.34,25.12) ; v1(64.73,68.07) 64.73,66.63 v1(64.14,66.04) 64.14,65.99 63.01,64.87 v1(63.01,64.28) ; 58.79,43.15 v1(59.11,43.48) U1000.C13 ; 58.79,43.15 v1(59.11,42.83) U1000.C13 ; 58.79,43.15 U1000.C14 ; U3801.W11 v1(56.02,25.2) U3801.Y12 v1(55.4,24.43) ; v1(55.87,49.98) U1000.P18 U1000.R19 ; v1(55.86,49.98) U1000.P19 ; v1(55.87,49.98) 56.19,49.65 U1000.N18 v1(55.87,49.33) U1000.M18 U1000.L19 ; v1(46.76,44.78) U1000.E32 U1000.F31 47.74,45.1 v1(47.41,45.43) 47.09,45.75 U1000.G32 v1(46.78,46.07) ; v1(57.81,52.58) 58.14,52.25 U1000.U15 ; v1(57.81,52.58) 58.14,52.9 U1000.V15 ; v1(57.81,52.58) U1000.U16 v1(57.16,52.58) 56.84,52.25 U1000.U17 ; v1(57.17,53.88) U1000.W16 ; v1(57.17,53.88) U1000.Y16 ; v1(57.16,53.88) U1000.W17 v1(56.52,53.88) ; v1(57.16,53.88) U1000.Y17 ; U1000.W16 U1000.Y15 ; U1000.W16 57.49,53.55 57.81,53.24 ; v1(61.06,55.18) U1000.AA11 ; v1(61.06,55.18) 60.74,55.5 U1000.AB11 ; v1(61.06,55.18) 61.39,55.5 U1000.AB10 v1(61.06,55.83) ; v1(61.06,55.18) U1000.AA10 U1000.Y9 ; U1000.AA11 v1(60.41,54.53) ; U1000.AA11 60.74,54.85 U1000.Y10 ; U1000.AA11 v1(60.41,55.18) U1000.AB11 ; v1(48.72,58.43) U1000.AF29 ; 59.79,57.81 U1000.AE13 v1(59.11,57.78) ; 59.79,57.81 U1000.AF12 ; 59.79,57.81 59.79,57.75 U1000.AE12 ; 59.79,57.81 59.74,57.81 U1000.AF13 ; U1000.AE26 50.67,57.78 ; U1000.AE26 51.31,57.78 ; U1000.AE26 51.32,57.13 ; 50.67,57.78 50.93,58.04 51.05,58.04 51.31,57.78 ; U1000.W12 U1000.Y11 ; U1000.P21 v1(54.57,50.63) ; U1000.P21 v1(53.92,50.63) ; U1000.P21 54.56,49.98 ; U1000.P21 53.92,49.98 ; v1(54.57,50.63) U1000.R20 ; v1(54.57,50.63) 54.89,50.3 U1000.P20 ; U1000.R3 65.94,50.95 v1(66.26,50.63) 65.94,50.3 ; U1000.R3 65.94,50.95 v1(66.26,51.28) 65.94,51.6 U1000.T3 65.94,51.6 v1(66.26,51.93) 65.94,52.25 U1000.U3 ; U1000.R3 v1(65.62,50.63) ; U3800.T10 v1(83.03,47.19) ; U1000.AF15 57.81,57.78 ; U1000.AF15 v1(58.46,57.78) U1000.AE14 v1(59.11,57.78) ; U1000.AF15 v1(58.46,58.43) ; 57.81,57.78 U1000.AE15 ; 57.81,57.78 U1000.AE16 ; v1(59.76,51.93) U1000.U12 60.09,52.25 v1(59.76,52.58) U1000.U13 v1(59.76,51.93) ; U1000.H6 64.32,46.08 ; U1000.H6 v1(64.31,46.73) ; U1000.H6 63.66,46.07 63.97,45.75 U1000.G6 ; 64.32,46.08 U1000.G6 ; 61.71,53.23 62.04,52.9 U1000.V9 ; 61.71,53.23 U1000.V10 ; 61.71,53.23 U1000.W9 ; U1000.AF11 v1(61.06,58.43) ; U1000.AF11 60.74,58.06 60.44,57.76 ; U1000.AF11 v1(60.41,58.43) ; U1000.AF11 60.75,58.1 61.39,57.46 ; v1(61.06,58.43) 61.06,58.42 61.7,57.79 61.72,57.79 ; v1(61.06,58.43) 61.08,58.43 61.39,58.74 U1000.AG10 ; v1(50.67,46.73) v1(51.31,47.38) ; v1(50.67,46.73) U1000.J27 50.34,47.05 v1(50.02,46.73) ; v1(50.67,46.73) U1000.H26 ; v1(56.52,53.88) 56.84,54.2 U1000.Y17 ; v1(56.52,53.88) 56.19,54.2 U1000.Y18 ; v1(56.51,53.88) U1000.W18 ; 62.36,48.03 62.04,47.7 U1000.K9 ; 62.36,48.03 62.04,48.35 U1000.L9 v1(62.36,48.68) 62.04,49 U1000.M9 62.36,49.33 U1000.N9 v1(62.36,49.98) ; U3800.AB5 78.94,42.8 v1(79.12,42.8) ; 62.68,58.74 v1(62.36,58.43) ; 62.68,58.74 62.7,58.74 63.01,58.43 ; v1(53.92,59.73) 53.59,60.05 U1000.AJ22 ; v1(53.92,59.73) U1000.AH22 ; v1(53.92,59.73) 54.24,60.05 U1000.AJ21 v1(53.92,60.38) U1000.AJ22 ; U3800.W2 76.2,44.95 v1(75.95,44.7) 75.87,44.63 75.86,44.63 U3800.Y1 ; v1(60.41,54.53) U1000.Y12 ; v1(60.41,54.53) 60.74,54.2 U1000.Y11 ; v1(56.52,54.53) U1000.Y18 ; v1(56.52,54.53) U1000.Y17 ; v1(56.52,54.53) U1000.AA17 ; U1000.Y18 v1(55.87,53.88) ; U1000.J23 53.23,46.76 ; U1000.J23 v1(52.62,47.38) 52.29,47.05 U1000.J24 ; U1000.J23 52.62,46.73 U1000.J24 ; U1000.AB11 v1(61.06,55.83) ; U1000.AD5 64.64,56.8 v1(64.31,56.48) U1000.AC5 ; U1000.AD5 v1(64.32,57.13) U1000.AE6 ; U1000.AD5 64.96,56.48 ; U1000.Y8 62.99,54.5 62.99,54.55 U1000.AA8 ; U1000.Y8 v1(63.01,53.88) U1000.W7 v1(63.66,53.23) 63.99,53.55 U1000.W6 ; U1000.Y8 62.4,54.49 62.4,54.56 ; 62.03,52.27 62.35,52.58 62.36,52.58 ; 62.03,52.27 61.72,52.58 v1(61.71,52.58) ; 62.03,52.27 62.37,51.93 ; U3800.W9 U3800.Y8 81.12,44.32 v1(80.64,44.32) ; U3800.W9 81.74,45.16 81.62,45.16 v1(81.59,45.18) U3800.V8 v1(80.72,45.6) 79.89,45.58 v1(79.88,45.59) 79.76,45.47 78.88,45.47 U3800.V5 ; U3800.W9 v1(82.35,45.36) ; 47.74,62.65 v1(48.07,62.33) 48.39,62 ; U1000.A14 58.79,41.41 58.85,41.35 v1(58.85,41.33) ; U1000.AC27 v1(50.02,56.48) ; U1000.AC27 v1(50.67,55.83) U1000.AB27 ; 62.04,47.05 62.69,46.41 62.36,46.08 ; 62.04,47.05 61.72,47.38 ; 62.04,47.05 61.72,46.74 ; U1000.R25 U1000.T26 ; U1000.R25 v1(51.97,51.28) ; U1000.AF8 v1(62.37,58.43) ; U1000.AF8 63.01,58.43 ; U1000.AF8 62.36,57.78 ; U1000.AF8 63,57.79 ; v1(62.36,58.43) 61.72,57.79 ; U1000.AK12 v1(59.76,60.38) ; 65.94,47.7 65.97,47.7 66.28,48.02 U1000.L3 66.26,48.68 U1000.M3 v1(66.26,49.33) U1000.N3 65.94,49.65 v1(66.26,49.98) U1000.P3 65.94,50.3 ; 65.94,47.7 U1000.K3 v1(65.62,47.38) ; v1(59.95,26.83) U3801.P10 v1(59.93,25.89) U3801.N11 ; v1(59.95,26.83) 59.94,26.82 ; v1(59.95,26.83) U3801.N9 60.68,27.15 v1(60.71,27.18) 60.71,27.18 61.09,27.56 v1(61.98,27.56) 61.98,27.4 U3801.K9 v1(62.55,26.83) 62.87,26.5 U3801.J10 ; U1000.AJ7 63.02,59.74 63.02,59.72 ; U1000.AJ7 63.61,60.32 63.61,60.43 ; U1000.G22 53.34,46 53.34,46.15 U1000.H22 ; U1000.G22 53.59,45.75 53.25,45.41 ; U1000.G22 v1(53.92,46.08) ; U3801.T8 v1(57.92,27.55) ; v1(67.89,50.24) 67.82,50.3 67.24,50.3 U1000.P1 ; 53.26,59.73 53.58,60.05 U1000.AJ22 ; 53.26,59.73 52.94,60.05 U1000.AJ23 53.26,60.38 53.26,60.38 ; 53.26,59.73 U1000.AH22 ; 63.02,59.72 v1(63.66,59.08) ; 63.02,59.72 U1000.AJ8 v1(62.36,60.38) U1000.AJ9 U1000.AK10 61.39,60.7 v1(61.06,61.03) ; v1(57.81,45.43) U1000.G15 ; v1(57.81,45.43) 57.49,45.1 U1000.F16 ; U1000.G15 58.14,45.75 v1(58.46,45.43) ; U1000.G15 58.46,46.08 U1000.H14 ; v1(7.37,55.38) 7.52,55.38 7.86,55.72 U4000.P6 ; v1(55.22,53.88) 54.89,54.2 U1000.Y20 ; v1(55.21,53.88) U1000.W20 ; U1000.AC20 54.89,56.15 v1(55.22,55.83) ; U1000.AC20 v1(55.22,56.48) U1000.AD20 ; U1000.AC20 v1(54.57,55.83) ; U1000.AL3 v1(66.26,61.68) ; U1000.AL3 65.62,61.03 ; U1000.AL3 65.61,61.68 ; 63,57.79 63.03,57.79 U1000.AF7 ; 55.2,53.24 v1(55.22,53.23) U1000.V19 ; U1000.Y17 v1(57.16,54.53) ; U1000.V27 v1(50.02,53.23) 50.34,53.55 U1000.W27 v1(50.02,53.88) U1000.Y28 v1(49.37,53.88) ; U1000.V27 v1(50.02,52.58) 50.28,52.31 ; U1000.V27 50.34,52.9 50.67,52.57 ; U1000.F22 53.56,45.1 53.25,45.41 ; U1000.F22 53.9,44.79 53.9,44.77 ; U1000.F22 53.26,44.77 ; 63.01,58.43 U1000.AF7 ; 61.07,53.88 60.74,54.2 U1000.Y11 ; 61.07,53.88 U1000.W10 ; 61.06,53.88 60.74,53.55 U1000.V10 ; 61.07,53.88 U1000.Y10 ; 52.61,51.27 52.61,51.28 ; 52.61,51.27 U1000.R24 52.02,51.23 ; 52.61,51.27 U1000.T23 ; 52.61,51.28 U1000.R23 ; 52.61,51.28 U1000.T24 ; U1000.AE9 62.04,57.47 61.72,57.79 ; U1000.AE9 61.71,57.13 ; U1000.AE9 62.36,57.78 ; U1000.AE11 60.74,57.47 60.44,57.76 ; U1000.AE11 60.76,57.45 61.72,58.42 ; U1000.AE11 60.09,56.8 U1000.AD12 U1000.AC11 ; U1000.AE11 U1000.AD10 ; 62.87,43.56 62.87,43.98 v1(63.01,44.13) U1000.E8 v1(62.36,44.78) U1000.F9 ; v1(10.41,54.86) 10.39,54.84 10.26,54.84 10.14,54.72 U4000.K8 ; U1000.F20 54.89,45.1 v1(55.22,44.78) ; U1000.F20 v1(54.57,44.78) ; U1000.F20 54.89,45.1 55.21,45.42 ; v1(65.43,34.01) 65.47,33.96 U3801.E1 ; v1(56.51,43.48) 56.19,43.8 v1(56.51,44.13) 56.19,44.45 U1000.E18 56.84,45.1 ; v1(56.51,43.48) 56.84,43.15 ; v1(56.51,43.48) U1000.C18 v1(56.51,42.83) 56.84,43.15 ; U1000.U19 55.54,52.25 55.87,52.59 ; U1000.U19 v1(55.22,51.93) ; U1000.V9 v1(61.71,52.58) ; U1000.V9 62.36,53.23 ; U1000.V9 62.36,52.58 ; v1(61.71,52.58) v1(61.06,51.93) U1000.T11 60.74,51.6 v1(61.06,51.28) U1000.R11 60.74,50.95 v1(61.06,50.63) U1000.P11 60.74,50.3 v1(61.06,49.98) U1000.N11 v1(61.06,49.33) 60.74,49 U1000.M11 ; v1(61.71,52.58) U1000.V10 ; v1(59.11,57.78) U1000.AF14 ; v1(59.11,57.78) U1000.AF13 ; v1(58.46,50.63) 58.79,50.3 U1000.P14 v1(58.46,49.98) ; v1(58.46,50.63) U1000.P15 58.14,50.3 v1(58.46,49.98) ; v1(58.46,50.63) 58.14,50.95 U1000.R15 v1(58.46,51.28) 58.14,51.6 U1000.T15 v1(58.46,51.93) 58.14,52.25 U1000.U15 ; v1(59.11,46.73) U1000.J13 59.44,47.05 v1(59.76,46.73) ; v1(59.11,46.73) 58.79,47.05 U1000.J14 v1(58.46,46.73) ; v1(59.11,46.73) U1000.H14 ; 63.99,47.7 v1(63.67,47.38) U1000.J6 ; 63.99,47.7 v1(64.31,48.03) U1000.L6 v1(63.67,48.68) 63.99,49 U1000.M6 v1(64.31,49.33) U1000.N6 63.99,49.65 v1(64.31,49.98) U1000.P6 ; 63.99,47.7 U1000.K6 ; 63.99,47.7 U1000.K6 ; v1(49.37,51.28) 49.69,50.95 U1000.R28 ; v1(64.31,45.43) 63.99,45.75 U1000.G6 ; v1(64.31,45.43) 63.99,45.1 ; 61.39,57.46 61.71,57.14 61.71,57.13 ; 61.39,57.46 61.72,57.79 ; U1000.Y14 58.49,53.9 ; U1000.Y14 v1(58.46,54.53) U1000.Y15 ; U1000.AF31 v1(47.42,58.43) 47.09,58.1 U1000.AF32 v1(46.77,58.43) ; U1000.AA20 54.57,54.53 54.57,54.52 ; U1000.AA20 v1(55.22,55.18) ; U1000.AA20 v1(54.57,55.18) ; 53.26,60.38 52.94,60.7 U1000.AK23 